# KiCad board SparkFun_GNSS_Flex_Breakout_panelized.kicad_pcb
title: SparkFun GNSS Flex Breakout; date: 2025-05-12; rev: v10; company: SparkFun Electronics; note: Designed by: P.C.
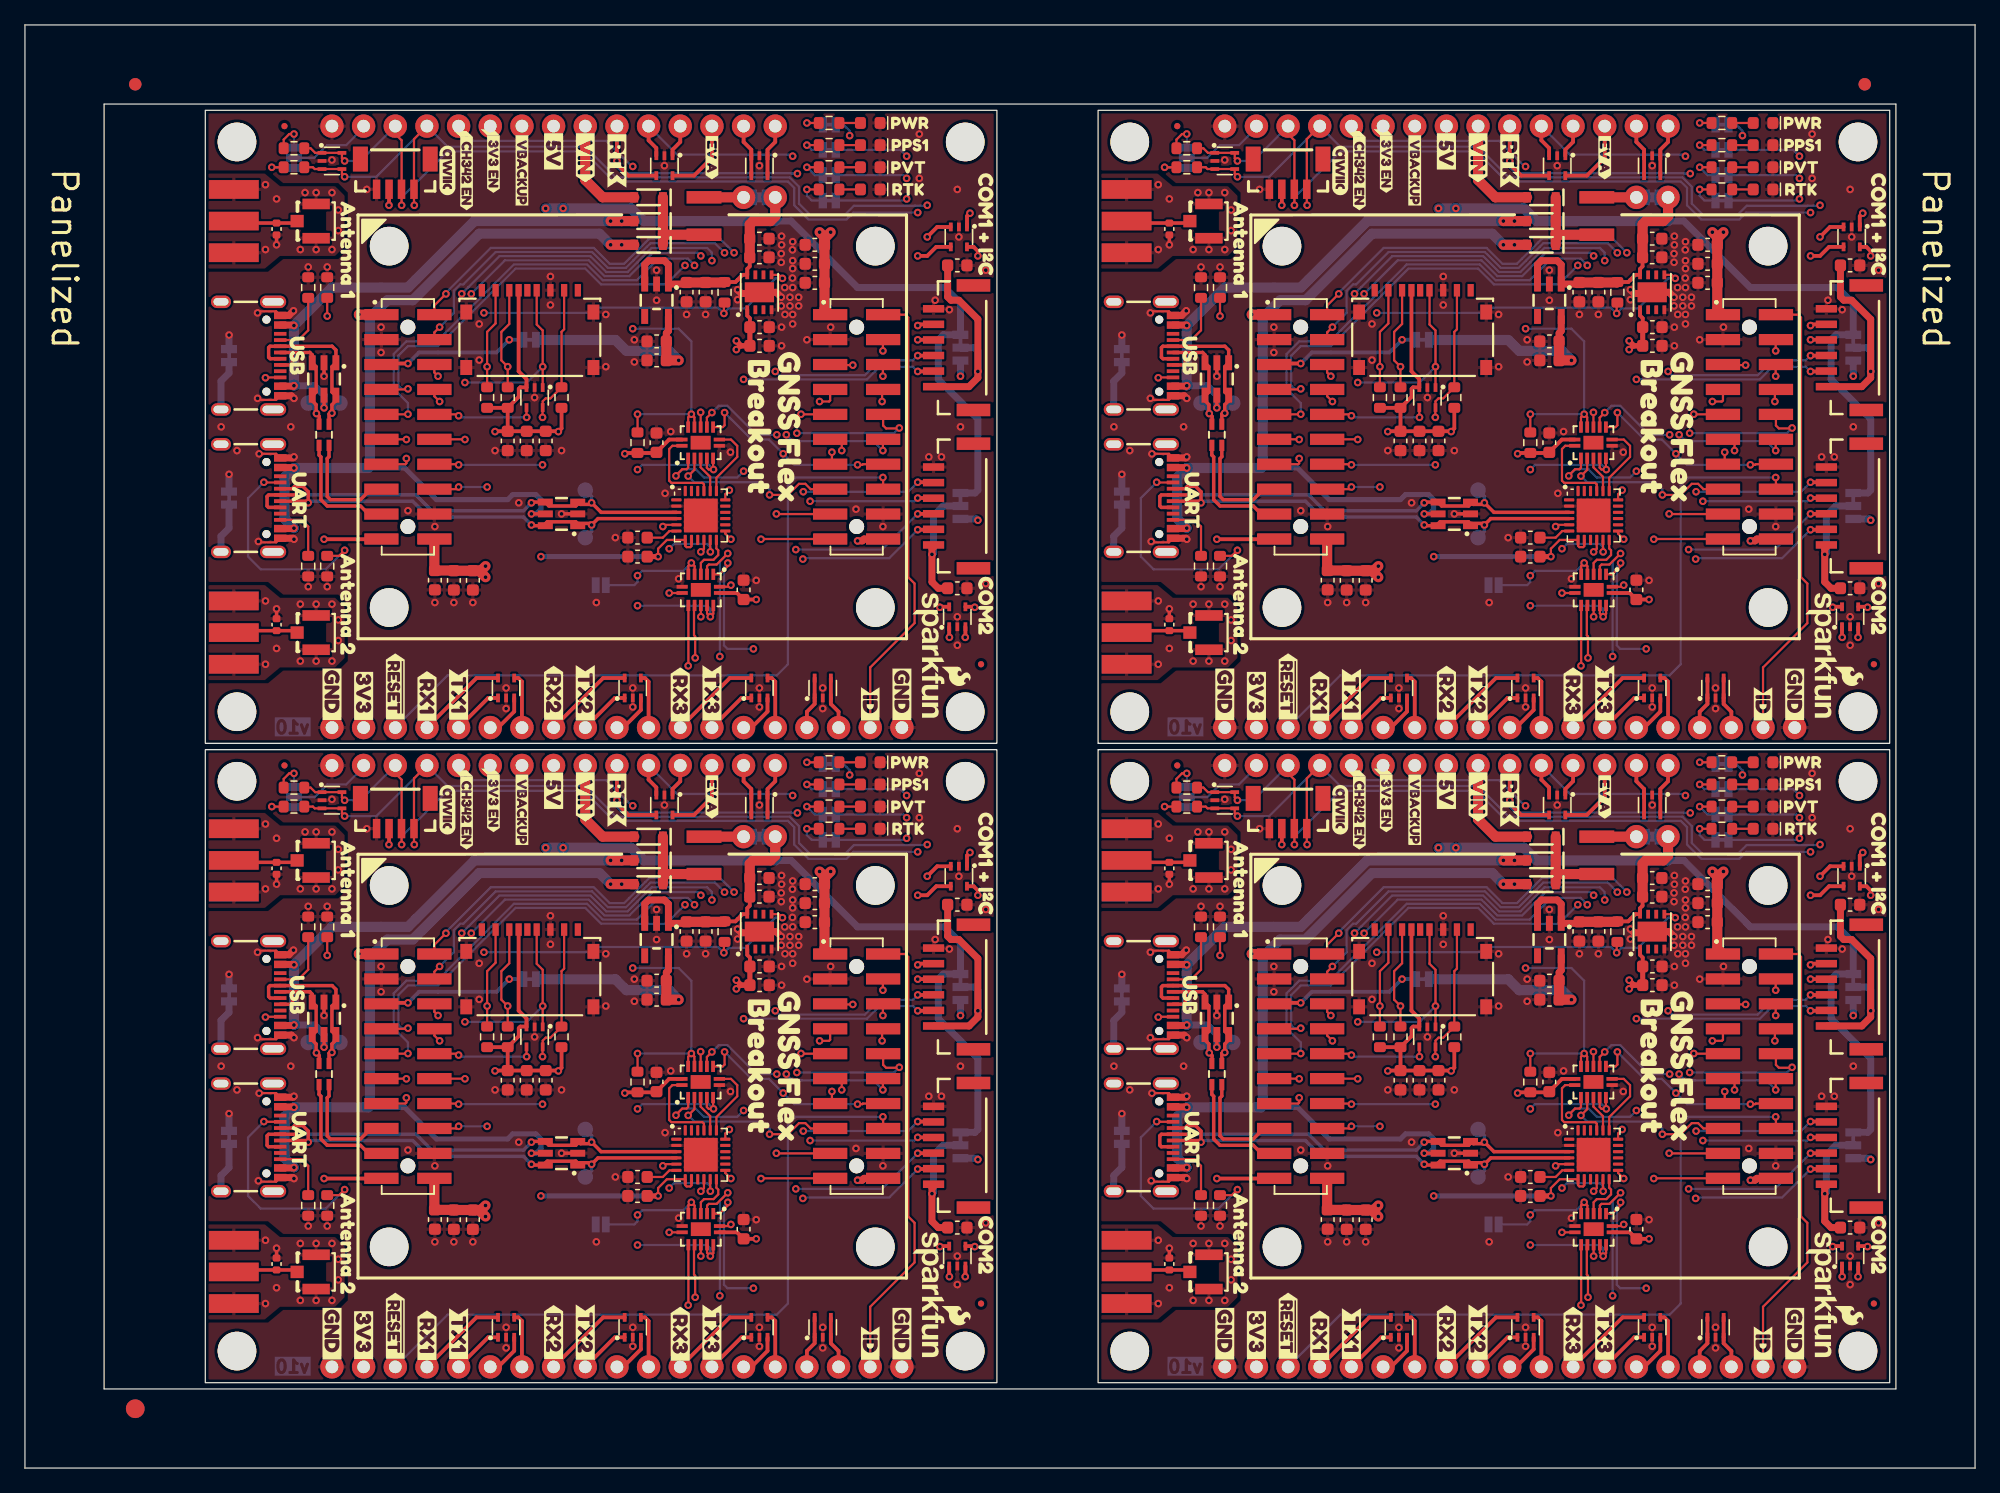
[diagram p0: board, top side]
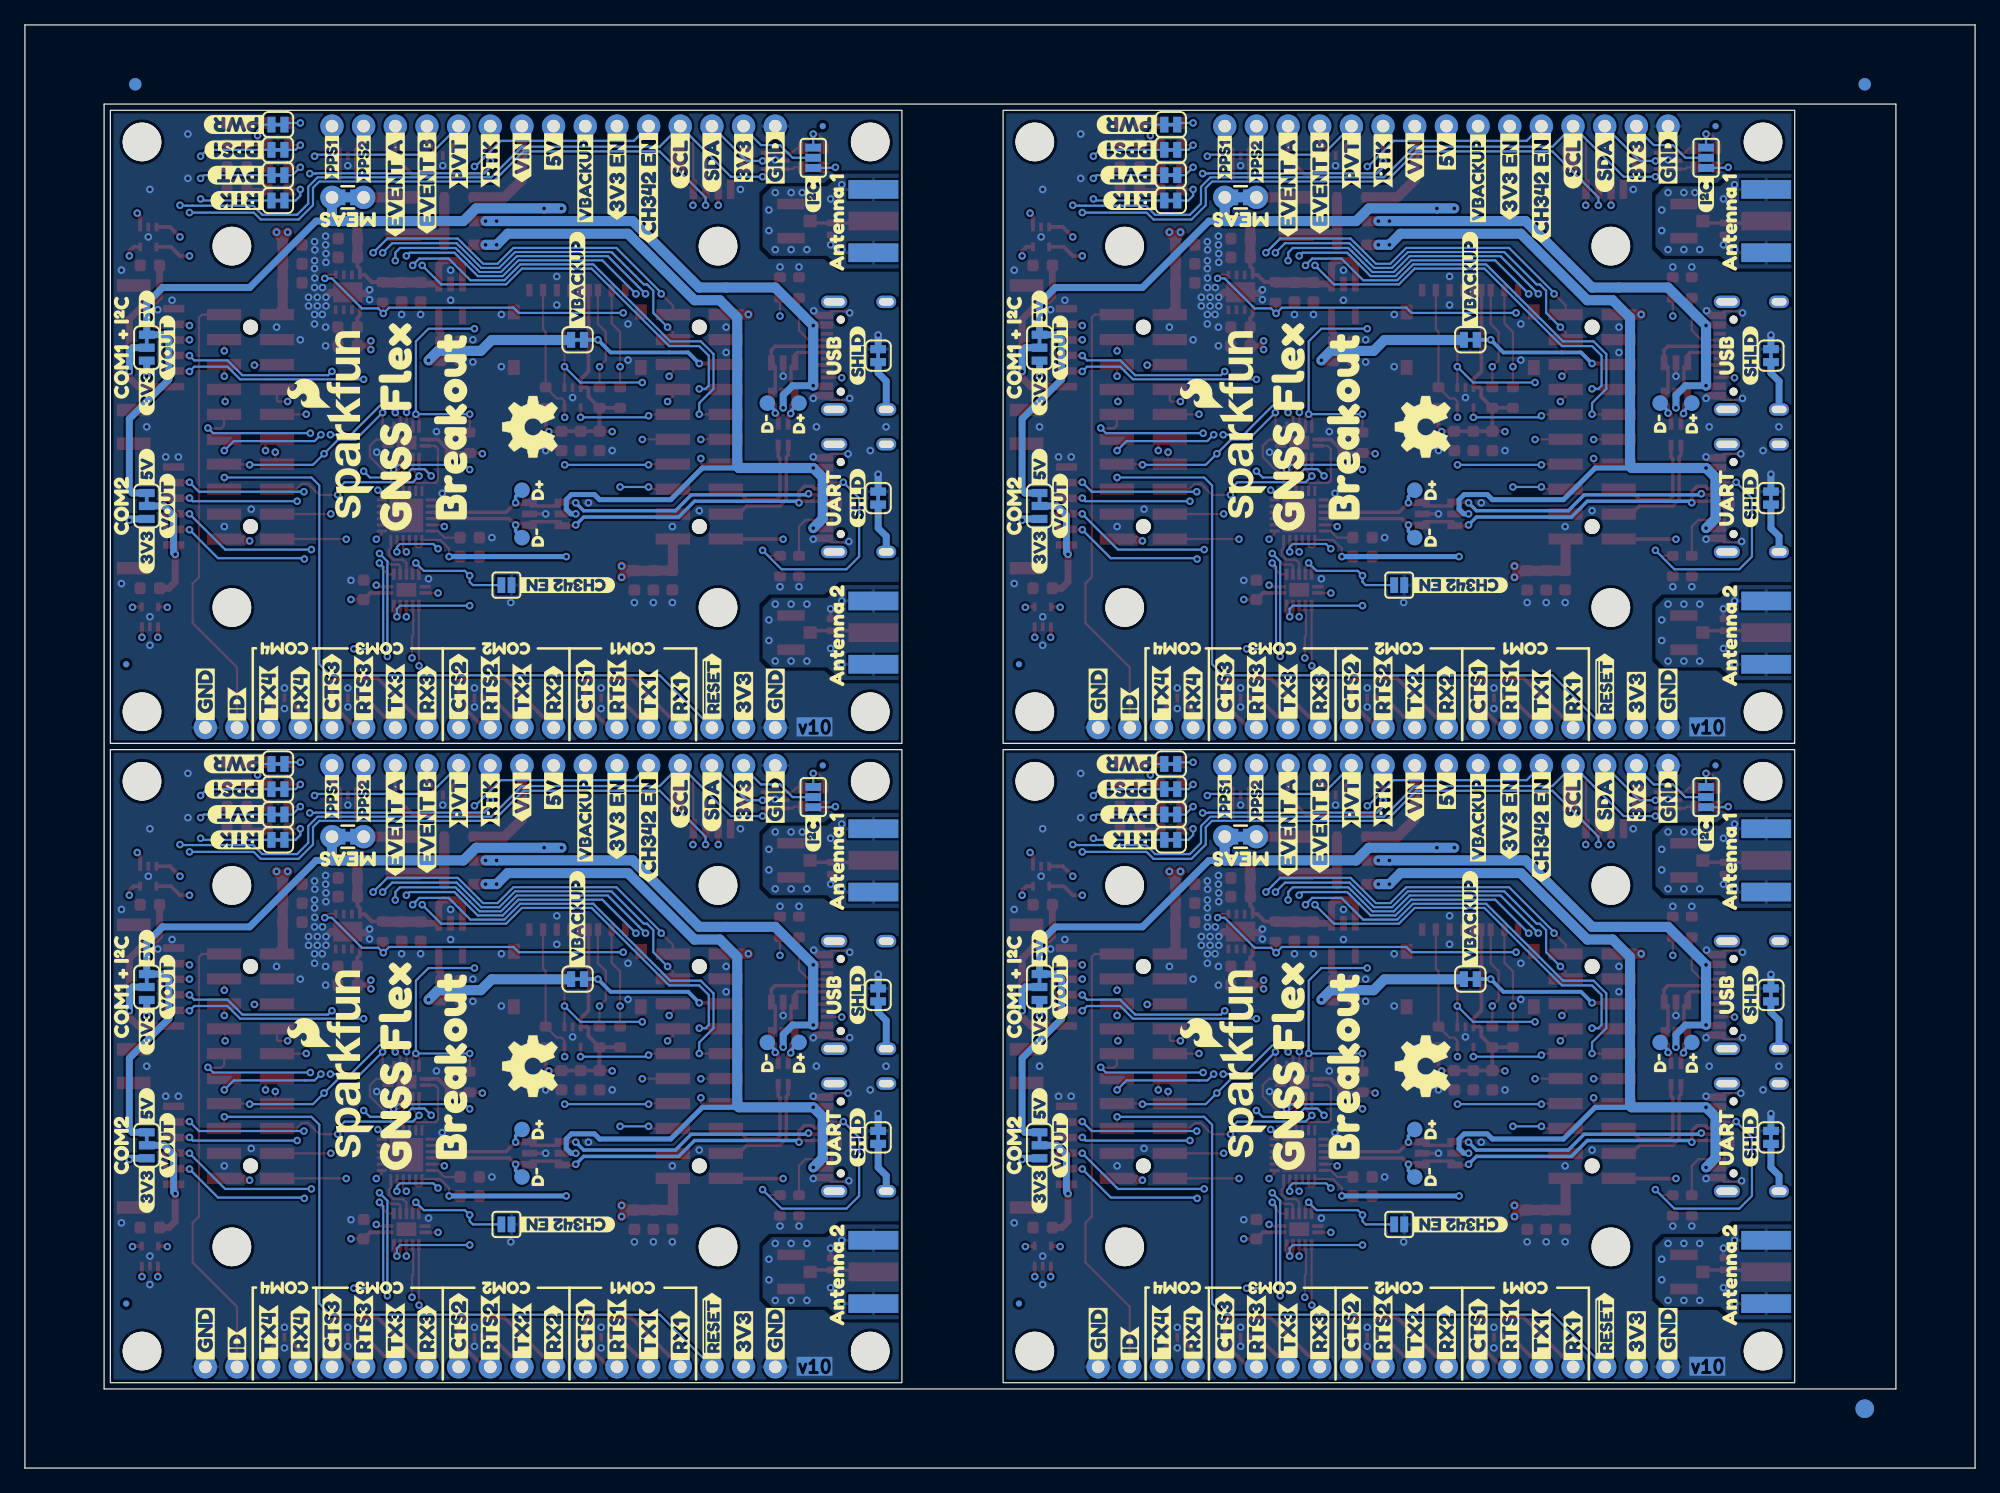
[diagram p1: board, bottom side, seen from below]

Outline 156.44 x 115.8 mm; copper layers: Top, L2.Cu, L3.Cu, Bottom. Coordinates in mm from the lower left corner of the outline.
Outline path: 14.47,58.15 14.47,108.95 77.97,108.95 77.97,58.15 closed ; 14.47,6.85 14.47,57.65 77.97,57.65 77.97,6.85 closed ; 86.09,58.15 86.09,108.95 149.59,108.95 149.59,58.15 closed ; 86.09,6.85 86.09,57.65 149.59,57.65 149.59,6.85 closed ; 0,115.8 156.44,115.8 156.44,0 0,0 0,115.8 ; 6.35,109.45 150.09,109.45 150.09,6.35 6.35,6.35 6.35,109.45
Stack: Top 0.035mm / dielectric 0.1mm FR4 er 4.5 / L2.Cu 0.035mm / dielectric 1.24mm FR4 er 4.5 / L3.Cu 0.035mm / dielectric 0.1mm FR4 er 4.5 / Bottom 0.035mm

## Placement (name value [footprint] x y rotation side)
C1  10uF  [C_0603_1608Metric]  63.37 46.86 180 top
C1#2  10uF  [C_0603_1608Metric]  134.99 46.86 180 top
C1#3  10uF  [C_0603_1608Metric]  63.37 98.16 180 top
C1#4  10uF  [C_0603_1608Metric]  134.99 98.16 180 top
C2  10uF  [C_0603_1608Metric]  107.55 19.93 270 top
C2#2  10uF  [C_0603_1608Metric]  35.93 71.23 270 top
C2#3  10uF  [C_0603_1608Metric]  35.93 19.93 270 top
C2#4  10uF  [C_0603_1608Metric]  107.55 71.23 270 top
C4  0.1uF  [C_0603_1608Metric]  134.99 43.81 180 top
C4#2  0.1uF  [C_0603_1608Metric]  63.37 95.11 180 top
C4#3  0.1uF  [C_0603_1608Metric]  134.99 95.11 180 top
C4#4  0.1uF  [C_0603_1608Metric]  63.37 43.81 180 top
C5  1.0uF  [C_0603_1608Metric]  63.37 96.63 180 top
C5#2  1.0uF  [C_0603_1608Metric]  134.99 45.33 180 top
C5#3  1.0uF  [C_0603_1608Metric]  63.37 45.33 180 top
C5#4  1.0uF  [C_0603_1608Metric]  134.99 96.63 180 top
C6  0.1uF  [C_0603_1608Metric]  104.5 19.94 270 top
C6#2  0.1uF  [C_0603_1608Metric]  32.89 71.24 270 top
C6#3  0.1uF  [C_0603_1608Metric]  32.89 19.94 270 top
C6#4  0.1uF  [C_0603_1608Metric]  104.5 71.24 270 top
C7  10uF  [C_0603_1608Metric]  113.4 82.42 270 top
C7#2  10uF  [C_0603_1608Metric]  41.78 31.12 270 top
C7#3  10uF  [C_0603_1608Metric]  113.4 31.12 270 top
C7#4  10uF  [C_0603_1608Metric]  41.78 82.42 270 top
C8  0.1uF  [C_0603_1608Metric]  110.35 82.42 270 top
C8#2  0.1uF  [C_0603_1608Metric]  38.73 31.12 270 top
C8#3  0.1uF  [C_0603_1608Metric]  38.73 82.42 270 top
C8#4  0.1uF  [C_0603_1608Metric]  110.35 31.12 270 top
C9  1.0uF  [C_0603_1608Metric]  111.87 82.42 270 top
C9#2  1.0uF  [C_0603_1608Metric]  40.25 31.12 270 top
C9#3  1.0uF  [C_0603_1608Metric]  111.87 31.12 270 top
C9#4  1.0uF  [C_0603_1608Metric]  40.25 82.42 270 top
C10  1.0uF  [C_0603_1608Metric]  106.03 19.93 270 top
C10#2  1.0uF  [C_0603_1608Metric]  34.41 19.93 270 top
C10#3  1.0uF  [C_0603_1608Metric]  106.03 71.23 270 top
C10#4  1.0uF  [C_0603_1608Metric]  34.41 71.23 270 top
C11  0.1uF  [C_0603_1608Metric]  49.14 74.66 180 top
C11#2  0.1uF  [C_0603_1608Metric]  120.76 74.66 180 top
C11#3  0.1uF  [C_0603_1608Metric]  49.14 23.36 180 top
C11#4  0.1uF  [C_0603_1608Metric]  120.76 23.36 180 top
C12  1.0uF  [C_0603_1608Metric]  120.76 21.84 180 top
C12#2  1.0uF  [C_0603_1608Metric]  49.14 73.14 180 top
C12#3  1.0uF  [C_0603_1608Metric]  120.76 73.14 180 top
C12#4  1.0uF  [C_0603_1608Metric]  49.14 21.84 180 top
C13  1.0uF  [C_0603_1608Metric]  50.66 30.98 90 top
C13#2  1.0uF  [C_0603_1608Metric]  50.66 82.28 90 top
C13#3  1.0uF  [C_0603_1608Metric]  122.28 82.28 90 top
C13#4  1.0uF  [C_0603_1608Metric]  122.28 30.98 90 top
C14  1.0uF  [C_0603_1608Metric]  57.65 70.47 90 top
C14#2  1.0uF  [C_0603_1608Metric]  129.27 19.17 90 top
C14#3  1.0uF  [C_0603_1608Metric]  57.65 19.17 90 top
C14#4  1.0uF  [C_0603_1608Metric]  129.27 70.47 90 top
C15  10uF  [C_0603_1608Metric]  130.54 98.65 0 top
C15#2  10uF  [C_0603_1608Metric]  130.54 47.35 0 top
C15#3  10uF  [C_0603_1608Metric]  58.92 98.65 0 top
C15#4  10uF  [C_0603_1608Metric]  58.92 47.35 0 top
C16  1.0uF  [C_0603_1608Metric]  130.54 97.15 0 top
C16#2  1.0uF  [C_0603_1608Metric]  58.92 97.15 0 top
C16#3  1.0uF  [C_0603_1608Metric]  130.54 45.85 0 top
C16#4  1.0uF  [C_0603_1608Metric]  58.92 45.85 0 top
C17  1.0uF  [C_0603_1608Metric]  130.55 91.55 0 top
C17#2  1.0uF  [C_0603_1608Metric]  58.93 40.25 0 top
C17#3  1.0uF  [C_0603_1608Metric]  130.55 40.25 0 top
C17#4  1.0uF  [C_0603_1608Metric]  58.93 91.55 0 top
C18  10uF  [C_0603_1608Metric]  130.55 38.75 0 top
C18#2  10uF  [C_0603_1608Metric]  58.93 90.05 0 top
C18#3  10uF  [C_0603_1608Metric]  58.93 38.75 0 top
C18#4  10uF  [C_0603_1608Metric]  130.55 90.05 0 top
C19  10uF  [C_0603_1608Metric]  54.6 43.06 270 top
C19#2  10uF  [C_0603_1608Metric]  126.22 94.36 270 top
C19#3  10uF  [C_0603_1608Metric]  126.22 43.06 270 top
C19#4  10uF  [C_0603_1608Metric]  54.6 94.36 270 top
C20  1.0uF  [C_0603_1608Metric]  124.7 94.36 270 top
C20#2  1.0uF  [C_0603_1608Metric]  53.08 43.06 270 top
C20#3  1.0uF  [C_0603_1608Metric]  124.7 43.06 270 top
C20#4  1.0uF  [C_0603_1608Metric]  53.08 94.36 270 top
C21  1.0uF  [C_0603_1608Metric]  122.3 90.41 180 top
C21#2  1.0uF  [C_0603_1608Metric]  50.68 39.11 180 top
C21#3  1.0uF  [C_0603_1608Metric]  122.3 39.11 180 top
C21#4  1.0uF  [C_0603_1608Metric]  50.68 90.41 180 top
C22  10uF  [C_0603_1608Metric]  50.68 37.58 180 top
C22#2  10uF  [C_0603_1608Metric]  122.3 88.88 180 top
C22#3  10uF  [C_0603_1608Metric]  122.3 37.58 180 top
C22#4  10uF  [C_0603_1608Metric]  50.68 88.88 180 top
C23  10uF  [C_0603_1608Metric]  146.41 70.6 180 top
C23#2  10uF  [C_0603_1608Metric]  146.41 19.3 180 top
C23#3  10uF  [C_0603_1608Metric]  74.8 70.6 180 top
C23#4  10uF  [C_0603_1608Metric]  74.8 19.3 180 top
C24  10uF  [C_0603_1608Metric]  74.8 96.5 180 top
C24#2  10uF  [C_0603_1608Metric]  74.8 45.2 180 top
C24#3  10uF  [C_0603_1608Metric]  146.41 45.2 180 top
C24#4  10uF  [C_0603_1608Metric]  146.41 96.5 180 top
CH342_EN.1  ~  [Jumper_2_NO]  46.19 70.85 0 bottom
CH342_EN.1#2  ~  [Jumper_2_NO]  46.19 19.55 0 bottom
CH342_EN.1#3  ~  [Jumper_2_NO]  117.81 19.55 0 bottom
CH342_EN.1#4  ~  [Jumper_2_NO]  117.81 70.85 0 bottom
D1  DF5A5.6LFU  [SOT-353]  40.89 34.6 270 top
D1#2  DF5A5.6LFU  [SOT-353]  112.51 85.9 270 top
D1#3  DF5A5.6LFU  [SOT-353]  40.89 85.9 270 top
D1#4  DF5A5.6LFU  [SOT-353]  112.51 34.6 270 top
D2  Red  [LED_0603_1608Metric_Red]  139.43 56.63 180 top
D2#2  Red  [LED_0603_1608Metric_Red]  67.81 56.63 180 top
D2#3  Red  [LED_0603_1608Metric_Red]  139.43 107.93 180 top
D2#4  Red  [LED_0603_1608Metric_Red]  67.81 107.93 180 top
D3  Blue  [LED_0603_1608Metric_Blue]  139.43 53.08 180 top
D3#2  Blue  [LED_0603_1608Metric_Blue]  139.43 104.38 180 top
D3#3  Blue  [LED_0603_1608Metric_Blue]  67.81 104.38 180 top
D3#4  Blue  [LED_0603_1608Metric_Blue]  67.81 53.08 180 top
D5  White  [LED_0603_1608Metric_White]  67.81 102.6 180 top
D5#2  White  [LED_0603_1608Metric_White]  139.43 102.6 180 top
D5#3  White  [LED_0603_1608Metric_White]  139.43 51.3 180 top
D5#4  White  [LED_0603_1608Metric_White]  67.81 51.3 180 top
D6  Yellow  [LED_0603_1608Metric_Yellow]  67.81 106.16 180 top
D6#2  Yellow  [LED_0603_1608Metric_Yellow]  67.81 54.86 180 top
D6#3  Yellow  [LED_0603_1608Metric_Yellow]  139.43 106.16 180 top
D6#4  Yellow  [LED_0603_1608Metric_Yellow]  139.43 54.86 180 top
D7  DF5A5.6LFU  [SOT-353]  58.92 104.5 270 top
D7#2  DF5A5.6LFU  [SOT-353]  58.92 53.2 270 top
D7#3  DF5A5.6LFU  [SOT-353]  130.54 104.5 270 top
D7#4  DF5A5.6LFU  [SOT-353]  130.54 53.2 270 top
D8  DF5A5.6LFU  [SOT-353]  122.92 104.5 270 top
D8#2  DF5A5.6LFU  [SOT-353]  122.92 53.2 270 top
D8#3  DF5A5.6LFU  [SOT-353]  51.3 104.5 270 top
D8#4  DF5A5.6LFU  [SOT-353]  51.3 53.2 270 top
D9  PESD0402  [C_0402_1005Metric]  20.19 99.42 90 top
D9#2  PESD0402  [C_0402_1005Metric]  20.19 48.12 90 top
D9#3  PESD0402  [C_0402_1005Metric]  91.81 99.42 90 top
D9#4  PESD0402  [C_0402_1005Metric]  91.81 48.12 90 top
D10  DF5A5.6LFU  [SOT-353]  130.54 62.59 90 top
D10#2  DF5A5.6LFU  [SOT-353]  58.92 62.59 90 top
D10#3  DF5A5.6LFU  [SOT-353]  58.92 11.3 90 top
D10#4  DF5A5.6LFU  [SOT-353]  130.54 11.3 90 top
D11  DF5A5.6LFU  [SOT-353]  135.62 11.3 90 top
D11#2  DF5A5.6LFU  [SOT-353]  135.62 62.59 90 top
D11#3  DF5A5.6LFU  [SOT-353]  64 62.59 90 top
D11#4  DF5A5.6LFU  [SOT-353]  64 11.3 90 top
D12  DF5A5.6LFU  [SOT-353]  48.76 62.59 90 top
D12#2  DF5A5.6LFU  [SOT-353]  48.76 11.3 90 top
D12#3  DF5A5.6LFU  [SOT-353]  120.38 11.3 90 top
D12#4  DF5A5.6LFU  [SOT-353]  120.38 62.59 90 top
D13  DF5A5.6LFU  [SOT-353]  38.6 11.3 90 top
D13#2  DF5A5.6LFU  [SOT-353]  110.22 11.3 90 top
D13#3  DF5A5.6LFU  [SOT-353]  38.6 62.59 90 top
D13#4  DF5A5.6LFU  [SOT-353]  110.22 62.59 90 top
D14  DF5A5.6LFU  [SOT-353]  146.41 17.01 90 top
D14#2  DF5A5.6LFU  [SOT-353]  74.8 17.01 90 top
D14#3  DF5A5.6LFU  [SOT-353]  146.41 68.31 90 top
D14#4  DF5A5.6LFU  [SOT-353]  74.8 68.31 90 top
D15  DF5A5.6LFU  [SOT-353]  96.25 53.59 0 top
D15#2  DF5A5.6LFU  [SOT-353]  24.63 53.59 0 top
D15#3  DF5A5.6LFU  [SOT-353]  96.25 104.89 0 top
D15#4  DF5A5.6LFU  [SOT-353]  24.63 104.89 0 top
D16  DF5A5.6LFU  [SOT-353]  146.54 98.79 270 top
D16#2  DF5A5.6LFU  [SOT-353]  74.92 98.79 270 top
D16#3  DF5A5.6LFU  [SOT-353]  146.54 47.49 270 top
D16#4  DF5A5.6LFU  [SOT-353]  74.92 47.49 270 top
D17  DT1042-04SO  [SOT23-6]  43.05 25.27 180 top
D17#2  DT1042-04SO  [SOT23-6]  43.05 76.56 180 top
D17#3  DT1042-04SO  [SOT23-6]  114.66 25.27 180 top
D17#4  DT1042-04SO  [SOT23-6]  114.66 76.56 180 top
D18  BAT60A  [SOD-323]  121.65 48.76 180 top
D18#2  BAT60A  [SOD-323]  121.65 100.06 180 top
D18#3  BAT60A  [SOD-323]  50.03 48.76 180 top
D18#4  BAT60A  [SOD-323]  50.03 100.06 180 top
D19  BAT60A  [SOD-323]  121.65 50.67 180 top
D19#2  BAT60A  [SOD-323]  50.03 50.67 180 top
D19#3  BAT60A  [SOD-323]  121.65 101.97 180 top
D19#4  BAT60A  [SOD-323]  50.03 101.97 180 top
D20  PESD0402  [C_0402_1005Metric]  91.81 16.38 270 top
D20#2  PESD0402  [C_0402_1005Metric]  91.81 67.68 270 top
D20#3  PESD0402  [C_0402_1005Metric]  20.19 16.38 270 top
D20#4  PESD0402  [C_0402_1005Metric]  20.19 67.68 270 top
D21  DT1042-04SO  [SOT23-6]  95.62 36.09 270 top
D21#2  DT1042-04SO  [SOT23-6]  24 87.39 270 top
D21#3  DT1042-04SO  [SOT23-6]  95.62 87.39 270 top
D21#4  DT1042-04SO  [SOT23-6]  24 36.09 270 top
D22  BAT60A  [SOD-323]  50.03 98.16 180 top
D22#2  BAT60A  [SOD-323]  121.65 98.16 180 top
D22#3  BAT60A  [SOD-323]  50.03 46.86 180 top
D22#4  BAT60A  [SOD-323]  121.65 46.86 180 top
F1  6V/2.0A/4.0A  [1210]  126.09 100.47 90 top
F1#2  6V/2.0A/4.0A  [1210]  54.47 100.47 90 top
F1#3  6V/2.0A/4.0A  [1210]  126.09 49.17 90 top
F1#4  6V/2.0A/4.0A  [1210]  54.47 49.17 90 top
FID1  Fiducial_0.5mm  [Fiducial_0.5mm_Mask1mm]  92.44 56.38 0 top
FID1#2  Fiducial_0.5mm  [Fiducial_0.5mm_Mask1mm]  20.82 56.38 0 top
FID1#3  Fiducial_0.5mm  [Fiducial_0.5mm_Mask1mm]  20.82 107.68 0 top
FID1#4  Fiducial_0.5mm  [Fiducial_0.5mm_Mask1mm]  92.44 107.68 0 top
FID2  Fiducial_0.5mm  [Fiducial_0.5mm_Mask1mm]  76.7 64.5 180 bottom
FID2#2  Fiducial_0.5mm  [Fiducial_0.5mm_Mask1mm]  76.7 13.2 180 bottom
FID2#3  Fiducial_0.5mm  [Fiducial_0.5mm_Mask1mm]  148.32 13.2 180 bottom
FID2#4  Fiducial_0.5mm  [Fiducial_0.5mm_Mask1mm]  148.32 64.5 180 bottom
FID3  Fiducial_0.5mm  [Fiducial_0.5mm_Mask1mm]  20.82 56.38 180 bottom
FID3#2  Fiducial_0.5mm  [Fiducial_0.5mm_Mask1mm]  92.44 107.68 180 bottom
FID3#3  Fiducial_0.5mm  [Fiducial_0.5mm_Mask1mm]  20.82 107.68 180 bottom
FID3#4  Fiducial_0.5mm  [Fiducial_0.5mm_Mask1mm]  92.44 56.38 180 bottom
FID4  Fiducial_0.5mm  [Fiducial_0.5mm_Mask1mm]  76.7 13.2 0 top
FID4#2  Fiducial_0.5mm  [Fiducial_0.5mm_Mask1mm]  148.32 64.5 0 top
FID4#3  Fiducial_0.5mm  [Fiducial_0.5mm_Mask1mm]  76.7 64.5 0 top
FID4#4  Fiducial_0.5mm  [Fiducial_0.5mm_Mask1mm]  148.32 13.2 0 top
G3  OSHW_Logo  [Creative_Commons_License]  114.16 -37.6 0 top
G***  LOGO  [qwiic_4mm]  33.9 104.12 270 top
G***#2  LOGO  [SparkFun_Logo_10mm]  72.64 65.26 270 top
G***#3  LOGO  [qwiic_4mm]  105.52 52.82 270 top
G***#4  LOGO  [SparkFun_Logo_10mm]  144.26 65.26 270 top
G***#5  LOGO  [SparkFun_Logo_10mm]  144.26 13.96 270 top
G***#6  LOGO  [SparkFun_Logo_10mm]  72.64 13.96 270 top
G***#7  LOGO  [qwiic_4mm]  33.9 52.82 270 top
G***#8  LOGO  [qwiic_4mm]  105.52 104.12 270 top
G***#9  LOGO  [SparkFun_Logo_15mm]  58.92 83.55 90 bottom
G***#10  LOGO  [SparkFun_Logo_15mm]  130.54 32.25 90 bottom
G***#11  LOGO  [SparkFun_Logo_15mm]  58.92 32.25 90 bottom
G***#12  LOGO  [SparkFun_Logo_15mm]  130.54 83.55 90 bottom
J1  microSD_Friction  [microSD_Friction_Fit_Common]  40.5 90.53 180 top
J1#2  microSD_Friction  [microSD_Friction_Fit_Common]  112.12 39.23 180 top
J1#3  microSD_Friction  [microSD_Friction_Fit_Common]  112.12 90.53 180 top
J1#4  microSD_Friction  [microSD_Friction_Fit_Common]  40.5 39.23 180 top
J2  -  [SMA_Edge]  88.38 48.76 90 top
J2#2  -  [SMA_Edge]  16.76 100.06 90 top
J2#3  -  [SMA_Edge]  16.76 48.76 90 top
J2#4  -  [SMA_Edge]  88.38 100.06 90 top
J3  Conn_01x15  [1x15]  24.63 56.38 0 top
J3#2  Conn_01x15  [1x15]  96.25 56.38 0 top
J3#3  Conn_01x15  [1x15]  96.25 107.68 0 top
J3#4  Conn_01x15  [1x15]  24.63 107.68 0 top
J4  Conn_01x19  [1x19]  24.63 8.12 0 top
J4#2  Conn_01x19  [1x19]  24.63 59.42 0 top
J4#3  Conn_01x19  [1x19]  96.25 59.42 0 top
J4#4  Conn_01x19  [1x19]  96.25 8.12 0 top
J5  JST_Locking_6  [JST_SMD_1.25mm-6_Locking]  146.26 25.9 90 top
J5#2  JST_Locking_6  [JST_SMD_1.25mm-6_Locking]  74.64 25.9 90 top
J5#3  JST_Locking_6  [JST_SMD_1.25mm-6_Locking]  74.64 77.2 90 top
J5#4  JST_Locking_6  [JST_SMD_1.25mm-6_Locking]  146.26 77.2 90 top
J6  -  [SMA_Edge]  88.38 15.74 90 top
J6#2  -  [SMA_Edge]  16.76 15.74 90 top
J6#3  -  [SMA_Edge]  16.76 67.04 90 top
J6#4  -  [SMA_Edge]  88.38 67.04 90 top
J7  USB_C_Receptacle  [USB-C_16]  20.82 77.84 270 top
J7#2  USB_C_Receptacle  [USB-C_16]  20.82 26.53 270 top
J7#3  USB_C_Receptacle  [USB-C_16]  92.44 26.53 270 top
J7#4  USB_C_Receptacle  [USB-C_16]  92.44 77.84 270 top
J8  -  [U.FL]  23.36 67.04 180 top
J8#2  -  [U.FL]  94.98 15.74 180 top
J8#3  -  [U.FL]  23.36 15.74 180 top
J8#4  -  [U.FL]  94.98 67.04 180 top
J9  -  [U.FL]  94.98 48.76 180 top
J9#2  -  [U.FL]  94.98 100.06 180 top
J9#3  -  [U.FL]  23.36 100.06 180 top
J9#4  -  [U.FL]  23.36 48.76 180 top
J10  USB_C_Receptacle  [USB-C_16]  92.44 37.97 270 top
J10#2  USB_C_Receptacle  [USB-C_16]  20.82 37.97 270 top
J10#3  USB_C_Receptacle  [USB-C_16]  92.44 89.27 270 top
J10#4  USB_C_Receptacle  [USB-C_16]  20.82 89.27 270 top
J11  Conn_02x10  [2x10_2.0mm_Male_Pins_Vertical_SMD_Pegs]  30.72 32.25 0 top
J11#2  Conn_02x10  [2x10_2.0mm_Male_Pins_Vertical_SMD_Pegs]  102.34 32.25 0 top
J11#3  Conn_02x10  [2x10_2.0mm_Male_Pins_Vertical_SMD_Pegs]  102.34 83.55 0 top
J11#4  Conn_02x10  [2x10_2.0mm_Male_Pins_Vertical_SMD_Pegs]  30.72 83.55 0 top
J12  Conn_02x10  [2x10_2.0mm_Male_Pins_Vertical_SMD_Pegs]  66.72 32.25 0 top
J12#2  Conn_02x10  [2x10_2.0mm_Male_Pins_Vertical_SMD_Pegs]  66.72 83.55 0 top
J12#3  Conn_02x10  [2x10_2.0mm_Male_Pins_Vertical_SMD_Pegs]  138.34 83.55 0 top
J12#4  Conn_02x10  [2x10_2.0mm_Male_Pins_Vertical_SMD_Pegs]  138.34 32.25 0 top
J13  JST_Locking_6  [JST_SMD_1.25mm-6_Locking]  74.64 89.9 90 top
J13#2  JST_Locking_6  [JST_SMD_1.25mm-6_Locking]  146.26 38.6 90 top
J13#3  JST_Locking_6  [JST_SMD_1.25mm-6_Locking]  74.64 38.6 90 top
J13#4  JST_Locking_6  [JST_SMD_1.25mm-6_Locking]  146.26 89.9 90 top
J14  Qwiic_Vertical  [JST_SMD_1.0mm-4_Vertical_Black]  101.33 104.12 0 top
J14#2  Qwiic_Vertical  [JST_SMD_1.0mm-4_Vertical_Black]  101.33 52.82 0 top
J14#3  Qwiic_Vertical  [JST_SMD_1.0mm-4_Vertical_Black]  29.71 104.12 0 top
J14#4  Qwiic_Vertical  [JST_SMD_1.0mm-4_Vertical_Black]  29.71 52.82 0 top
J15  Legend: GNSS Flex  [GNSS_Flex_Template]  120.34 83.55 0 top
J15#2  Legend: GNSS Flex  [GNSS_Flex_Template]  48.72 32.25 0 top
J15#3  Legend: GNSS Flex  [GNSS_Flex_Template]  48.72 83.55 0 top
J15#4  Legend: GNSS Flex  [GNSS_Flex_Template]  120.34 32.25 0 top
JP1  Measure  [Jumper_2_PTH_SMD_Combo-NC]  130.54 50.67 0 bottom
JP1#2  Measure  [Jumper_2_PTH_SMD_Combo-NC]  130.54 101.97 0 bottom
JP1#3  Measure  [Jumper_2_PTH_SMD_Combo-NC]  58.92 101.97 0 bottom
JP1#4  Measure  [Jumper_2_PTH_SMD_Combo-NC]  58.92 50.67 0 bottom
JP2  ~  [Jumper_3_NO]  93.2 105.14 270 bottom
JP2#2  ~  [Jumper_3_NO]  21.58 53.84 270 bottom
JP2#3  ~  [Jumper_3_NO]  93.2 53.84 270 bottom
JP2#4  ~  [Jumper_3_NO]  21.58 105.14 270 bottom
kibuzzard-67D04D07  G***  [kibuzzard-67D04D07]  98.79 105.14 90 bottom
kibuzzard-67D04D07#2  G***  [kibuzzard-67D04D07]  27.17 53.84 90 bottom
kibuzzard-67D04D07#3  G***  [kibuzzard-67D04D07]  27.17 105.14 90 bottom
kibuzzard-67D04D07#4  G***  [kibuzzard-67D04D07]  98.79 53.84 90 bottom
kibuzzard-67D04D20  G***  [kibuzzard-67D04D20]  96.25 53.84 90 bottom
kibuzzard-67D04D20#2  G***  [kibuzzard-67D04D20]  24.63 105.14 90 bottom
kibuzzard-67D04D20#3  G***  [kibuzzard-67D04D20]  24.63 53.84 90 bottom
kibuzzard-67D04D20#4  G***  [kibuzzard-67D04D20]  96.25 105.14 90 bottom
kibuzzard-67D04D30  G***  [kibuzzard-67D04D30]  44.95 53.84 90 bottom
kibuzzard-67D04D30#2  G***  [kibuzzard-67D04D30]  116.57 105.14 90 bottom
kibuzzard-67D04D30#3  G***  [kibuzzard-67D04D30]  116.57 53.84 90 bottom
kibuzzard-67D04D30#4  G***  [kibuzzard-67D04D30]  44.95 105.14 90 bottom
kibuzzard-67D04E88  G***  [kibuzzard-67D04E88]  50.03 53.59 90 bottom
kibuzzard-67D04E88#2  G***  [kibuzzard-67D04E88]  121.65 104.89 90 bottom
kibuzzard-67D04E88#3  G***  [kibuzzard-67D04E88]  121.65 53.59 90 bottom
kibuzzard-67D04E88#4  G***  [kibuzzard-67D04E88]  50.03 104.89 90 bottom
kibuzzard-67D022A2  G***  [kibuzzard-67D022A2]  70.86 53.08 0 top
kibuzzard-67D022A2#2  G***  [kibuzzard-67D022A2]  142.48 53.08 0 top
kibuzzard-67D022A2#3  G***  [kibuzzard-67D022A2]  70.86 104.38 0 top
kibuzzard-67D022A2#4  G***  [kibuzzard-67D022A2]  142.48 104.38 0 top
kibuzzard-67D022AC  G***  [kibuzzard-67D022AC]  70.86 51.3 0 top
kibuzzard-67D022AC#2  G***  [kibuzzard-67D022AC]  142.48 51.3 0 top
kibuzzard-67D022AC#3  G***  [kibuzzard-67D022AC]  70.86 102.6 0 top
kibuzzard-67D022AC#4  G***  [kibuzzard-67D022AC]  142.48 102.6 0 top
kibuzzard-67D044ED  G***  [kibuzzard-67D044ED]  70.35 62.09 270 top
kibuzzard-67D044ED#2  G***  [kibuzzard-67D044ED]  24.63 10.79 270 top
kibuzzard-67D044ED#3  G***  [kibuzzard-67D044ED]  96.25 10.79 270 top
kibuzzard-67D044ED#4  G***  [kibuzzard-67D044ED]  70.35 10.79 270 top
kibuzzard-67D044ED#5  G***  [kibuzzard-67D044ED]  141.97 10.79 270 top
kibuzzard-67D044ED#6  G***  [kibuzzard-67D044ED]  24.63 62.09 270 top
kibuzzard-67D044ED#7  G***  [kibuzzard-67D044ED]  141.97 62.09 270 top
kibuzzard-67D044ED#8  G***  [kibuzzard-67D044ED]  96.25 62.09 270 top
kibuzzard-67D045AD  G***  [kibuzzard-67D045AD]  96.25 62.09 90 bottom
kibuzzard-67D045AD#2  G***  [kibuzzard-67D045AD]  70.35 62.09 90 bottom
kibuzzard-67D045AD#3  G***  [kibuzzard-67D045AD]  141.97 62.09 90 bottom
kibuzzard-67D045AD#4  G***  [kibuzzard-67D045AD]  96.25 10.79 90 bottom
kibuzzard-67D045AD#5  G***  [kibuzzard-67D045AD]  24.63 62.09 90 bottom
kibuzzard-67D045AD#6  G***  [kibuzzard-67D045AD]  141.97 10.79 90 bottom
kibuzzard-67D045AD#7  G***  [kibuzzard-67D045AD]  70.35 10.79 90 bottom
kibuzzard-67D045AD#8  G***  [kibuzzard-67D045AD]  24.63 10.79 90 bottom
kibuzzard-67D045C9  G***  [kibuzzard-67D045C9]  98.79 61.96 90 bottom
kibuzzard-67D045C9#2  G***  [kibuzzard-67D045C9]  27.17 61.96 90 bottom